# Altium PCB UltraZOhm_CarrierBoard.PcbDoc (part 11 of 12) (continued)
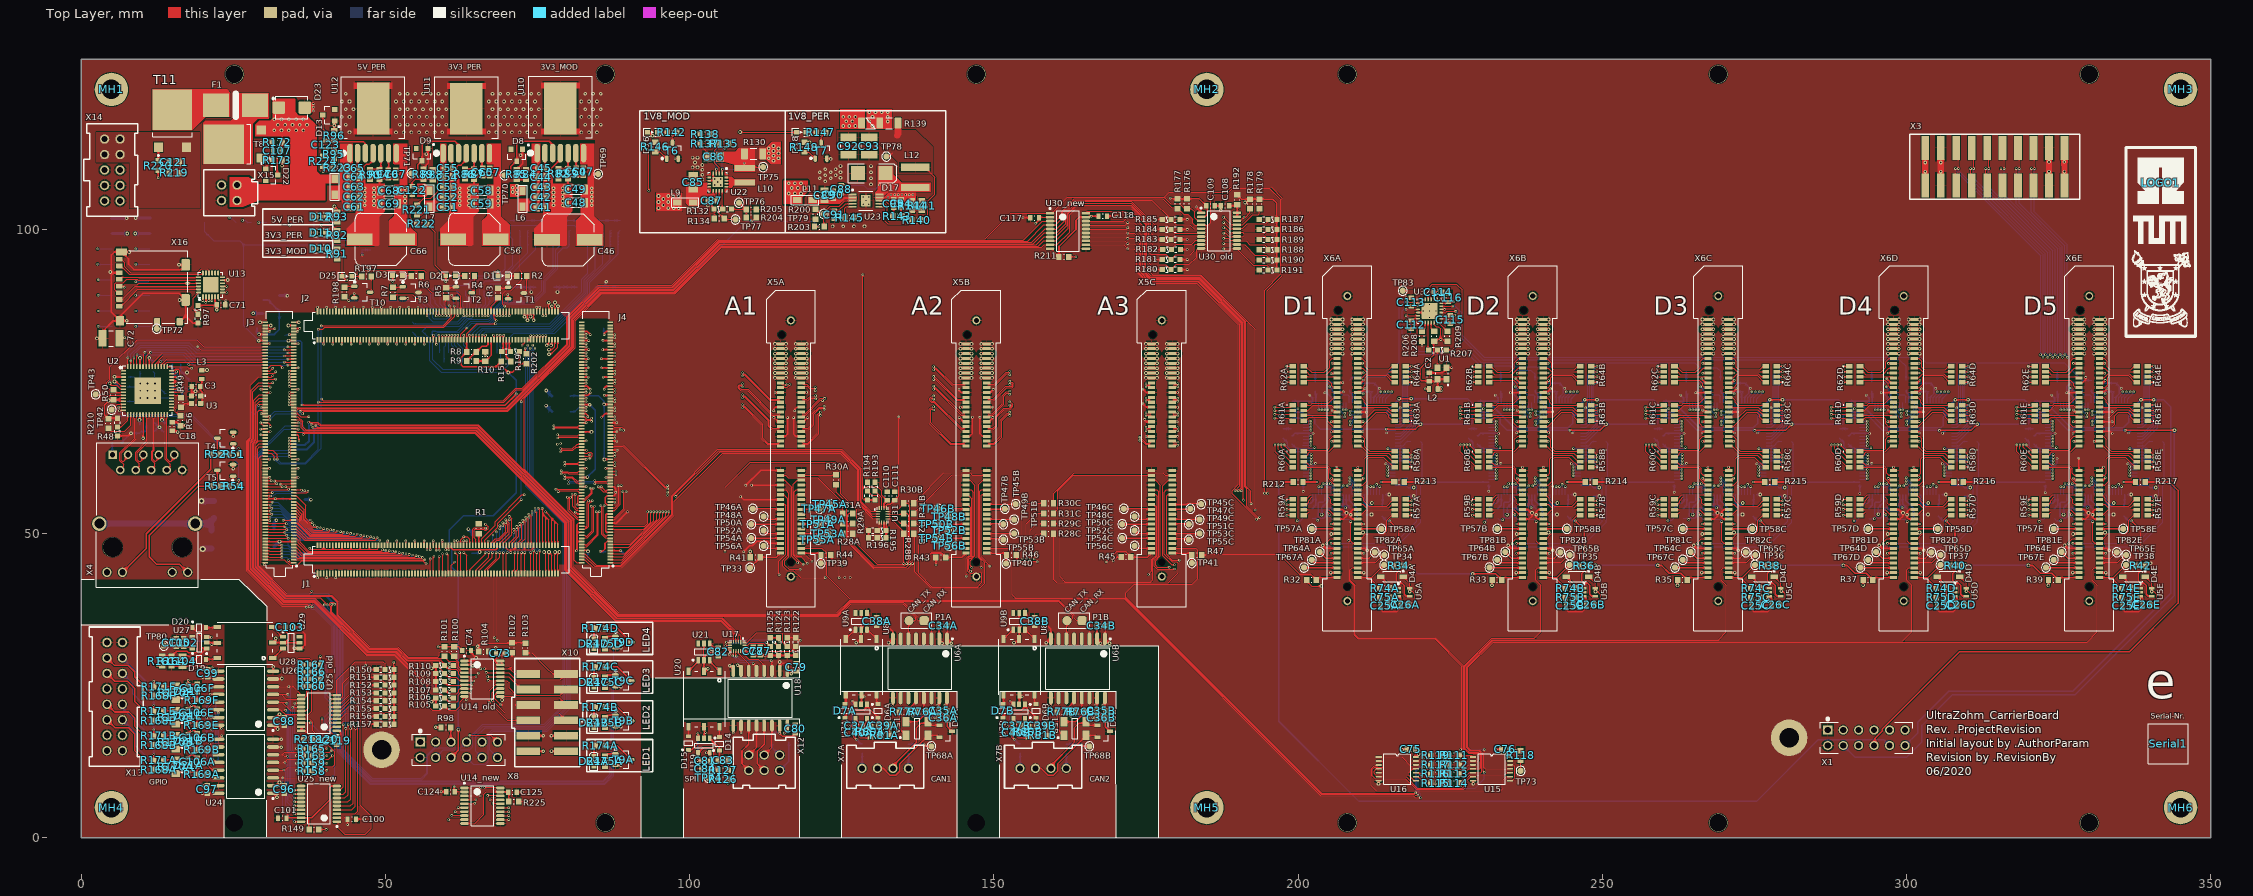
[diagram p0: Top Layer view]
## Nets (pads, with @x,y where several pads share a name; then routed paths per layer and width w, separated by ;. In a path a pad name is that pad's centre, name@x,y a point inside that pad or via, vN(x,y) a via of type N, cw(c..) or ccw(c..) an arc to the next point about the centre after c; other vN are vias at no path point) (continued)
  Top Layer w0.1: J3.96@30.287,68.736 30.964,68.736 v2(31,68.7) ; v1(36.4,69.7) 36.4,69.8 36.7,70.1 70.149,70.1 80.8,80.751 80.8,85.2 85.4,89.8 97.449,89.8 105.108,97.46 156.972,97.46 158.318,98.806 159.294,98.806 159.329,98.771 160.163,98.771 162.049,100.657 162.049,102.619 163.426,103.997 172.593,103.997 175.558,101.032 175.558,98 176.073,97.485 178.324,97.485 179.111,96.698 179.949,97.536 182.536,97.536 183.2,98.2 184.125,98.2 U30_old.8@184.15,98.175
  Bottom Layer w0.1: v2(31,68.7) 32,69.7 v1(36.4,69.7)
PS_DIG_GPIO_01_3V3: R188.2 U30_new.14 U30_old.13 X6A.77 X6B.77 X6C.77 X6D.77 X6E.77 | length 232.4
  Top Layer w0.1: U30_new.14@165.029,98.771 171.762,98.771 v1(172,98.533) 173.076,98.533 173.958,97.651 173.958,93.083 175.458,91.583 183.558,91.583 190.621,84.52 190.621,57.549 v1(190.145,57.074) ; v2(187.757,98.533) 188.551,98.533 188.884,98.2 189.825,98.2 189.85,98.175 189.907,98.118 190.441,98.118 190.459,98.1 191.435,98.1 192.075,97.46 194.54,97.46 195.06,96.94 R188.2@195.06,96.657
  Top Layer w0.254: v2(205.45,51.6) X6A.77@206.38,51.6 ; v2(235.93,51.6) X6B.77@236.86,51.6 ; v2(266.41,51.6) X6C.77@267.34,51.6 ; v2(296.89,51.6) X6D.77@297.82,51.6 ; v2(327.37,51.6) X6E.77@328.3,51.6
  L03_Sig w0.1: v1(172,98.533) 172.165,98.699 187.591,98.699 v2(187.757,98.533) ; v1(190.145,57.074) 190.153,57.066 190.153,56.786 190.503,56.436 192.847,56.436 197.81,51.472 203.803,51.472 203.931,51.6 v2(205.45,51.6) 207.9,51.6 208.5,51 235.33,51 v2(235.93,51.6) 238.63,51.6 239.23,51 265.81,51 v2(266.41,51.6) 269.11,51.6 269.71,51 296.29,51 v2(296.89,51.6) 299.59,51.6 300.19,51 326.77,51 v2(327.37,51.6)
PS_DIG_GPIO_02_1V8: J3.98 R183.2 U30_new.6 U30_old.7 | length 175.7
  Top Layer w0.1: J3.98@30.287,69.236 30.936,69.236 v2(31,69.3) ; v1(36,70.1) 36.2,70.3 70.066,70.3 80.6,80.834 80.6,85.283 85.317,90 97.366,90 105.025,97.66 156.486,97.66 158.267,99.441 159.309,99.441 159.329,99.421 160.305,99.421 161.849,100.965 161.849,102.718 163.426,104.295 172.577,104.295 175.758,101.114 175.758,99.552 176.149,99.162 178.298,99.162 R183.2@179.111,98.349 179.686,98.924 183.57,98.924 183.669,98.825 U30_old.7@184.15,98.825
  Bottom Layer w0.1: v2(31,69.3) 31.8,70.1 v1(36,70.1)
PS_DIG_GPIO_02_3V3: R189.2 U30_new.15 U30_old.14 X6A.78 X6B.78 X6C.78 X6D.78 X6E.78 | length 237.5
  Top Layer w0.1: U30_new.15@165.029,99.421 171.979,99.421 v1(172,99.4) 173.076,99.4 174.158,98.317 174.158,93.166 175.541,91.783 183.641,91.783 190.821,84.603 190.821,57.249 v1(190.645,57.074) ; v2(187.757,99.4) 188.1,99.4 188.7,98.8 190.9,98.8 191.045,98.945 194.437,98.945 R189.2@195.06,98.322
  Top Layer w0.254: X6A.78@209.78,51.6 v2(210.75,51.6) ; X6B.78@240.26,51.6 v2(241.23,51.6) ; X6C.78@270.74,51.6 v2(271.71,51.6) ; X6D.78@301.22,51.6 v2(302.19,51.6) ; X6E.78@331.7,51.6 v2(332.67,51.6)
  L03_Sig w0.1: v1(172,99.4) v2(187.757,99.4) ; v1(190.645,57.074) 190.95,56.769 192.811,56.769 197.908,51.672 203.72,51.672 203.998,51.95 208.05,51.95 208.4,51.6 v2(210.75,51.6) 211.067,51.283 234.583,51.283 235.25,51.95 238.563,51.95 238.913,51.6 v2(241.23,51.6) 265.4,51.6 265.75,51.95 269.165,51.95 269.465,51.65 270.154,51.65 270.204,51.6 v2(271.71,51.6) 271.72,51.61 296.161,51.61 296.545,51.994 297.072,51.994 297.266,51.8 299.673,51.8 299.873,51.6 v2(302.19,51.6) 326.5,51.6 327.5,52.6 331.67,52.6 v2(332.67,51.6)
PS_GPIO1: J3.72 R157.2 R175A.1 U25_new.1 U25_old.3 | length 144.8
  Top Layer w0.1: J3.72@30.287,62.736 30.223,62.8 29.6,62.8 29.2,62.4 29.2,44.7 33.8,40.1 37.6,40.1 37.9,40.4 v1(37.9,40.5) ; v1(40.97,18.923) 40.972,18.922 41.956,18.922 42.822,18.922 43.2,19.3 45.9,19.3 ; U25_new.1@41.95,2.675 42.103,2.675 42.241,2.536 42.241,1.659 43.3,0.6 46.7,0.6 47.7,1.6 47.7,3.6 45.9,5.4 45.9,19.3 ; R157.2@49.975,18.7 49.375,19.3 45.9,19.3 ; R175A.1@86.067,11.825 86.6,12.358 v2(86.6,12.6)
  L03_Sig w0.1: v1(37.9,40.5) 37.9,40.2 39.8,38.3 v1(40,38.3)
  Bottom Layer w0.1: v1(40,38.3) 40,38.031 42.7,35.331 42.7,20.653 v1(40.97,18.923) 42.8,17.093 42.8,14.3 47.7,9.4 85.8,9.4 86.9,10.5 86.9,12.3 v2(86.6,12.6)
PS_GPIO2: J3.89 R156.2 R175B.1 U25_new.3 U25_old.4 | length 154.7
  Top Layer w0.1: J3.89@34.957,67.236 35.664,67.236 v2(35.7,67.2) ; v1(40.97,19.558) U25_old.4@42.042,19.558 ; U25_new.3@41.95,3.975 45.075,3.975 45.5,4.4 v1(45.5,18.6) ; U25_old.4@41.956,19.572 42.672,19.572 43.7,20.6 45.5,20.6 ; v1(45.5,20) 45.5,20.6 ; R156.2@49.975,19.986 49.975,20.225 49.6,20.6 45.5,20.6 ; R175B.1@86.067,18.175 86.175,18.175 v2(86.9,18.9)
  Bottom Layer w0.1: 35.5,67.2 33.351,67.2 28.6,62.449 28.6,44.451 33.551,39.5 38.249,39.5 42.5,35.249 42.5,21.088 v1(40.97,19.558) 40.513,19.101 40.513,18.542 42.6,16.455 42.6,14.217 47.617,9.2 85.883,9.2 87.1,10.417 87.1,18.7 v2(86.9,18.9) ; v1(45.5,18.6) v1(45.5,20)
PS_GPIO3: J3.91 R155.2 R175C.1 U25_new.6 U25_old.5 | length 161
  Top Layer w0.1: J3.91@34.957,67.736 35.664,67.736 v2(35.7,67.7) ; v1(40.996,20.218) U25_old.5@42.053,20.218 ; U25_new.6@41.95,5.925 43.825,5.925 44.3,6.4 v1(44.3,18) ; U25_old.5@41.956,20.222 42.622,20.222 44.3,21.9 ; v1(44.3,21.2) 44.3,21.9 ; R155.2@49.975,21.271 49.975,21.525 49.6,21.9 44.3,21.9 ; R175C.1@86.067,24.779 86.279,24.779 v2(86.9,25.4)
  Bottom Layer w0.1: v2(35.7,67.7) 33.568,67.7 28.4,62.531 28.4,44.369 33.469,39.3 38.166,39.3 42.3,35.166 42.3,21.523 v1(40.996,20.218) 40.259,19.482 40.259,18.415 42.4,16.274 42.4,14.134 47.534,9 85.966,9 87.3,10.334 87.3,25 v2(86.9,25.4) ; v1(44.3,18) v1(44.3,21.2)
PS_GPIO4: J3.104 R154.2 R175D.1 U25_new.7 U25_old.6 | length 168.4
  Top Layer w0.1: v2(29.591,70.739) 29.594,70.736 J3.104@30.287,70.736 ; v1(40.998,20.886) U25_old.6@42.042,20.886 ; U25_new.7@41.95,6.575 43.375,6.575 43.9,7.1 v1(43.9,18.6) ; U25_old.6@41.956,20.872 42.672,20.872 45,23.2 ; v1(45,22.4) 45,23.2 ; R154.2@49.975,22.557 49.975,23.025 49.8,23.2 45,23.2 ; R175D.1@86.067,31.129 86.329,31.129 v2(86.9,31.7)
  Bottom Layer w0.1: v2(29.591,70.739) 28.2,69.348 28.2,44.286 33.386,39.1 38.083,39.1 42.1,35.083 42.1,21.987 v1(40.998,20.886) 39.98,19.867 39.98,18.313 42.2,16.093 42.2,14.051 47.451,8.8 86.049,8.8 87.5,10.251 87.5,31.1 v2(86.9,31.7) ; v1(43.9,18.6) 43.9,21.3 v1(45,22.4)
PS_GPIO5: J3.106 R153.2 U25_new.4 U25_old.7 | length 94.7
  Top Layer w0.1: v1(29.21,71.069) 29.377,71.236 J3.106@30.287,71.236 ; v1(40.998,21.51) U25_old.7@42.044,21.51 ; U25_new.4@41.95,4.625 41.975,4.6 44.5,4.6 45.1,5.2 v1(45.1,18) ; U25_old.7@41.956,21.522 42.722,21.522 45.7,24.5 46.5,24.5 ; v1(46.5,23.8) 46.5,24.5 ; R153.2@49.975,23.843 50,23.868 50,24.441 49.941,24.5 46.5,24.5
  Bottom Layer w0.1: v1(29.21,71.069) 28,69.859 28,44.203 33.303,38.9 38,38.9 41.9,35 41.9,22.411 v1(40.998,21.51) ; v1(45.1,18) 45.7,18 46.5,18.8 v1(46.5,23.8)
PS_GPIO6: J3.120 R152.2 U25_new.5 U25_old.8 X11.10 | length 136.2
  Top Layer w0.1: v1(31.5,74.8) 31.436,74.736 29.864,74.736 29.8,74.8 29.2,74.8 28,73.6 28,65.797 27.4,65.197 27.4,43.954 33.054,38.3 37.2,38.3 v1(37.5,38) ; v1(41.024,22.16) U25_old.8@42.045,22.16 ; U25_new.5@41.95,5.275 44.275,5.275 44.7,5.7 v1(44.7,18.6) ; U25_old.8@41.956,22.172 42.672,22.172 46,25.5 ; v1@46.2,25.4 v1(46.2,25.3) 46,25.5 ; R152.2@49.975,25.129 49.975,25.425 49.6,25.8 46.3,25.8 46,25.5
  L03_Sig w0.1: v2(2.8,86.6) 8.3,86.6 8.7,86.2 8.7,85 10.625,83.075 11.8,81.9 19.6,81.9 26.7,74.8 v1(31.5,74.8)
  Bottom Layer w0.1: v2(2.8,86.6) 2.83,86.63 X11.10@5.106,86.63 ; v1(37.5,38) 37.9,37.6 38.4,37.6 41.3,34.7 41.3,29.9 40.1,28.7 40.1,23.084 v1(41.024,22.16) ; v1(44.7,18.6) 44.7,19.7 46,21 46,25.1 v1(46.2,25.3)
PS_GPIO7: J3.118 R151.2 U25_new.8 U25_old.9 X11.9 | length 132.8
  Top Layer w0.1: v2(31.1,74.1) 30.964,74.236 29.864,74.236 29.8,74.3 29.2,74.3 28.2,73.3 28.2,65.714 27.6,65.114 27.6,44.037 33.137,38.5 37.6,38.5 38,38.1 v1(38,38) ; v1(41.021,22.784) U25_old.9@42.018,22.784 ; U25_new.8@41.95,7.225 U25_new.8@42.05,7.225 43.125,7.225 43.5,7.6 v1(43.5,18) ; U25_old.9@42.422,22.822 U25_old.9@42.056,22.822 41.956,22.822 42.013,22.879 42.579,22.879 43,23.3 43,25.4 44.6,27 ; v1(44.6,25.5) 44.6,27 ; R151.2@49.975,26.414 49.975,26.825 49.8,27 44.6,27
  L03_Sig w0.1: v2(2.8,84.1) 8.5,84.1 11.3,81.3 19.6,81.3 26.7,74.2 31.1,74.2 v2(31.1,74.1)
  Bottom Layer w0.1: v2(2.8,84.1) 2.81,84.09 X11.9@5.106,84.09 ; v1(38,38) 38.3,38 41.5,34.8 41.5,29.817 40.3,28.617 40.3,23.505 v1(41.021,22.784) ; v1(43.5,18) 43.5,21.2 44.6,22.3 v1(44.6,25.5)
PS_GPIO8: J3.124 R150.2 U25_new.9 U25_old.10 X11.12 | length 143.5
  Top Layer w0.1: v1(31.5,76) 31.236,75.736 29.864,75.736 29.8,75.8 29.2,75.8 27.8,74.4 27.8,65.88 27.2,65.28 27.2,43.872 32.972,38.1 36.7,38.1 36.9,37.9 v1(37,37.9) ; v1(41.021,23.495) U25_old.10@41.979,23.495 ; U25_new.9@41.95,7.875 41.985,7.91 42.61,7.91 43.1,8.4 v1(43.1,18.6) ; U25_old.10@41.956,23.472 U25_old.10@41.979,23.495 ; U25_old.10@42.032,23.495 U25_old.10@41.979,23.495 ; v1(46.8,28.4) 46.8,29 ; R150.2@49.975,27.7 49.975,28.625 49.6,29 46.8,29 ; U25_old.10@41.979,23.495 41.979,25.879 45.1,29 46.8,29
  L03_Sig w0.1: v2(2.8,91.7) 8,91.7 10,89.7 10,85.3 12.2,83.1 19.6,83.1 26.7,76 v1(31.5,76)
  Bottom Layer w0.1: v2(2.8,91.7) 2.81,91.71 X11.12@5.106,91.71 ; v1(37,37.9) 37,38.2 37.2,38.4 38.217,38.4 41.7,34.917 41.7,29.734 40.5,28.534 40.5,24.016 v1(41.021,23.495) ; v1(43.1,18.6) 43.1,20.134 43.3,20.334 43.3,21.117 43.3,24.9 v1(46.8,28.4)
PS_I2C0_SCL_3V3: R178.2 U30_new.20 U30_old.18 X5A.49 X5B.49 X5C.49 X6A.89 X6B.89 X6C.89 X6D.89 X6E.89 | length 369.3
  Top Layer w0.1: X5A.49@114.94,58.8 115.62,58.8 116.789,57.631 116.789,46.279 117.754,45.314 v1(117.754,45.212) ; X5B.49@145.42,58.8 146.1,58.8 146.9,58 146.9,46.351 146.1,45.551 146.1,44.8 v1@146.4,44.5 ; U30_new.20@165.029,102.671 165.355,102.997 171.552,102.997 v1@171.933,102.616 ; v1(172,102.616) 173.076,102.616 174.958,100.733 174.958,93.723 176.098,92.583 183.972,92.583 192.938,83.617 v1(192.938,53.899) ; X5C.49@175.9,58.8 176.58,58.8 177.38,58 177.38,46.351 176.58,45.551 176.58,44.8 176.88,44.5 v1(178.816,44.5) ; U30_old.18@189.85,101.425 189.86,101.435 190.535,101.435 v2(191.1,102) 191.137,102.037 191.357,102.037 192.049,102.729 192.049,103.309 R178.2@192.112,103.372
  Top Layer w0.254: v2(205.4,46.8) X6A.89@206.38,46.8 ; v2(235.88,46.8) X6B.89@236.86,46.8 ; v2(266.36,46.8) X6C.89@267.34,46.8 ; v2(296.84,46.8) X6D.89@297.82,46.8 ; v2(327.32,46.8) X6E.89@328.3,46.8
  L03_Sig w0.1: v1(117.754,45.212) 117.856,45.212 119.361,43.707 138.902,43.707 139.209,44.014 145.149,44.014 145.585,44.45 v1(146.355,44.45) 146.837,43.967 146.939,43.967 178.283,43.967 v1(178.816,44.5) ; v1(172,102.616) 187.984,102.616 188.6,102 v2(191.1,102) ; v1@178.861,44.546 189.834,44.546 192.786,47.498 192.786,53.746 v1(192.938,53.899) 194.201,53.899 201.3,46.8 v2(205.4,46.8) 209.8,46.8 210.35,46.25 220.95,46.25 221.5,46.8 v2(235.88,46.8) 240.28,46.8 240.83,46.25 251.43,46.25 251.98,46.8 v2(266.36,46.8) 270.76,46.8 271.31,46.25 281.91,46.25 282.46,46.8 v2(296.84,46.8) 301.24,46.8 301.79,46.25 312.39,46.25 312.94,46.8 v2(327.32,46.8)
PS_I2C0_SDA_3V3: R179.2 U30_new.18 U30_old.17 X5A.50 X5B.50 X5C.50 X6A.90 X6B.90 X6C.90 X6D.90 X6E.90 | length 372.8
  Top Layer w0.1: X5A.50@118.34,58.8 117.72,58.8 117.02,58.1 117.02,46.492 118.503,45.009 v1(118.643,45.009) ; v1(147.93,44.45) 147.93,45.601 147.5,46.03 147.5,58.1 148.2,58.8 X5B.50@148.82,58.8 ; U30_new.18@165.029,101.371 171.371,101.371 v1(172,102) 173.076,102 174.758,100.317 174.758,93.415 175.79,92.383 183.889,92.383 191.421,84.852 191.421,57.798 192.227,56.992 192.227,54.998 v1(192.275,54.95) ; X5C.50@179.3,58.8 178.68,58.8 177.749,57.869 177.749,46.38 179.222,44.907 v1(179.68,44.907) ; v2(187.757,102) 188.982,100.775 189.85,100.775 190.894,100.775 192.532,102.413 193.446,102.413 193.636,102.602 R179.2@193.636,103.372
  Top Layer w0.254: X6A.90@209.78,46.8 v2(210.8,46.8) ; X6B.90@240.26,46.8 v2(241.28,46.8) ; X6C.90@270.74,46.8 v2(271.76,46.8) ; X6D.90@301.22,46.8 v2(302.24,46.8) ; X6E.90@331.7,46.8 v2(332.72,46.8)
  L03_Sig w0.1: v1(118.643,45.009) 119.745,43.907 138.819,43.907 139.126,44.214 145.066,44.214 145.757,44.906 146.404,44.906 146.86,44.45 v1(147.93,44.45) 148.107,44.272 178.079,44.272 178.714,44.907 v1(179.68,44.907) 179.73,44.856 189.484,44.856 192.275,47.647 v1(192.275,54.95) 193.65,54.95 201.3,47.3 210.3,47.3 v2(210.8,46.8) 220.95,46.8 221.5,47.35 240.73,47.35 v2(241.28,46.8) 251.43,46.8 251.98,47.35 271.21,47.35 v2(271.76,46.8) 281.91,46.8 282.46,47.35 301.69,47.35 v2(302.24,46.8) 312.39,46.8 312.94,47.35 332.17,47.35 v2(332.72,46.8) ; v1@172.001,102.001 v2@187.756,102.001
PS_I2C1_SCL: J3.78 R100.2 U14_new.1 U14_old.3 | length 90.1
  Top Layer w0.1: J3.78@30.287,64.236 29.864,64.236 29.8,64.3 29.3,64.3 29,64 29,44.617 33.717,39.9 41.183,39.9 42.3,38.783 42.3,36.583 47.483,31.4 52.08,31.4 53.78,29.7 58.6,29.7 58.9,30 58.9,30.4 59.1,30.6 60.4,30.6 61.152,29.848 R100.2@61.323,29.848 61.323,29.59 62.027,28.886 62.027,28.169 62.371,27.825 U14_old.3@63.207,27.825 ; U14_new.1@63.1,8.225 65.544,8.225 65.619,8.3 v1(65.7,8.3) ; U14_old.3@63.1,27.8 v2(65.7,27.8)
  L03_Sig w0.1: v1(65.7,8.3) 65.7,12.1 64.996,12.804 64.996,16.196 65.7,16.9 v2(65.7,27.8)
PS_I2C1_SDA: J3.80 R101.2 U14_new.3 U14_old.4 | length 90.7
  Top Layer w0.1: J3.80@30.287,64.736 29.864,64.736 29.8,64.8 29.3,64.8 28.8,64.3 28.8,44.534 33.634,39.7 41.1,39.7 42.1,38.7 42.1,36.5 47.4,31.2 51.997,31.2 53.697,29.5 59.403,29.5 R101.2@59.751,29.848 59.751,29.708 60.401,29.058 61.573,29.058 61.827,28.803 61.827,27.962 62.614,27.175 U14_old.4@63.207,27.175 ; U14_new.3@63.1,6.925 63.125,6.9 v1(65.6,6.9) ; U14_old.4@63.1,27.15 65.25,27.15 v2(65.3,27.1)
  L03_Sig w0.1: v2(65.3,27.1) 65.3,16.783 64.796,16.279 64.796,12.721 65.2,12.317 65.2,7.3 v1(65.6,6.9)
PS_SPI0_CS: J3.108 R105.2 U14_new.9 U14_old.10 | length 101.7
  Top Layer w0.1: J3.108@30.287,71.736 29.336,71.736 28.8,71.2 28.8,65.466 28.2,64.866 28.2,44.286 33.386,39.1 38.366,39.1 47.066,30.4 51.666,30.4 57,25.066 57,21.7 57.7,21 59,21 59.684,21.684 R105.2@59.752,21.684 ; v1(60.4,3) 60.425,3.025 U14_new.9@63.1,3.025
  Top Layer w0.2: R105.2@59.752,21.684 60.429,21.006 61.671,21.006 62.306,21.641 62.306,22.374 U14_old.10@63.141,23.209 ; U14_old.10@63.1,23.25 U14_old.10@63.141,23.209 ; U14_old.10@63.207,23.275 U14_old.10@63.141,23.209 ; v2(63.3,22.7) 63.3,23.05 U14_old.10@63.141,23.209
  L03_Sig w0.1: v1(60.4,3) 60.4,5.6 61.716,6.916 61.716,16.249 63.3,17.832 v2(63.3,22.7)
PS_SPI0_MISO: J3.110 R107.2 U14_new.7 U14_old.8 | length 99.1
  Top Layer w0.1: J3.110@30.287,72.236 29.864,72.236 29.8,72.3 29.3,72.3 28.6,71.6 28.6,65.549 28,64.949 28,44.203 33.303,38.9 38.283,38.9 46.983,30.2 51.583,30.2 56.8,24.983 56.8,24.8 v1(56.6,24.6) ; v2(59.1,24.8) 59.536,24.364 R107.2@59.752,24.364 ; v1(61.5,4.3) 63.075,4.3 U14_new.7@63.1,4.325 ; U14_old.8@63.1,24.55 64.05,24.55 v2(64.1,24.5)
  Top Layer w0.2: R107.2@59.752,24.364 59.812,24.364 60.503,23.673 61.706,23.673 62.1,24.067 62.1,24.398 62.217,24.515 62.965,24.515 U14_old.8@63,24.55 ; U14_old.8@62.575,24.575 U14_old.8@63.207,24.575
  L03_Sig w0.1: v1(61.5,4.3) 61.5,6.1 62.116,6.716 62.116,16.083 64.35,18.317 64.35,24.25 v2(64.1,24.5)
  Bottom Layer w0.1: v1(56.6,24.6) 58.9,24.6 v2(59.1,24.8)
PS_SPI0_MOSI: J3.112 R108.2 U14_new.6 U14_old.7 | length 99.6
  Top Layer w0.1: J3.112@30.287,72.736 29.864,72.736 29.8,72.8 29.3,72.8 28.4,71.9 28.4,65.631 27.8,65.031 27.8,44.12 33.22,38.7 38.2,38.7 46.9,30 51.5,30 56.1,25.4 v1(56.1,24.6) ; v2(59.1,26.2) 59.595,25.705 R108.2@59.752,25.705 ; v2(62,5) 63.075,5 U14_new.6@63.1,4.975 ; U14_old.7@63.1,25.2 63.182,25.2 v2(64.2,25.2)
  Top Layer w0.2: R108.2@59.752,25.705 59.752,25.592 60.274,25.07 63.052,25.07 U14_old.7@63.182,25.2
  L03_Sig w0.1: v2(62,5) 62.316,5.316 62.316,16 64.55,18.234 64.55,24.85 v2(64.2,25.2)
  Bottom Layer w0.1: v1(56.1,24.6) 56.5,25 58.8,25 59,25.2 59,26.1 v2(59.1,26.2)
PS_SPI0_SCLK: J3.102 R106.2 U14_new.8 U14_old.9 | length 97.7
  Top Layer w0.1: J3.102@30.287,70.236 29.864,70.236 29.8,70.3 29.3,70.3 29,70 29,65.383 28.4,64.783 28.4,44.369 33.469,39.3 38.449,39.3 47.149,30.6 51.749,30.6 57.2,25.149 57.2,24 57.5,23.7 59.064,23.7 R106.2@59.752,23.012 ; v1(60.9,3.7) 63.075,3.7 U14_new.8@63.1,3.675
  Top Layer w0.2: R106.2@59.752,23.012 59.792,23.012 60.452,22.352 61.798,22.352 61.976,22.53 61.976,23.476 62.425,23.925 U14_old.9@63.207,23.925 ; U14_old.9@63.1,23.9 v2(64,23.9)
  L03_Sig w0.1: v1(60.9,3.7) 60.9,5.8 61.916,6.816 61.916,16.166 64,18.249 v2(64,23.9)
PS_SPI1_CS: J3.93 U17.4 | length 93.4
  Top Layer w0.1: J3.93@34.957,68.236 35.664,68.236 v2(35.7,68.2) ; v1(36.5,66.3) 36.7,66.5 64.7,66.5 79.45,51.75 79.45,43.97 87.82,35.6 105.1,35.6 107.221,33.479 U17.4@107.221,32.248
  Bottom Layer w0.1: v2(35.7,68.2) 36,68.2 36.5,67.7 v1(36.5,66.3)
PS_SPI1_MISO: J3.95 U17.2 | length 93.9
  Top Layer w0.1: J3.95@34.957,68.736 35.864,68.736 36.2,68.4 36.2,67.4 36.7,66.9 64.866,66.9 79.85,51.916 79.85,44.136 87.986,36 105.266,36 108.021,33.245 U17.2@108.021,32.248
PS_SPI1_MOSI: J3.97 U17.1 | length 94.4
  Top Layer w0.1: J3.97@34.957,69.236 35.647,69.236 36.4,68.483 36.4,67.6 36.9,67.1 64.949,67.1 80.05,51.999 80.05,44.219 88.069,36.2 105.349,36.2 108.421,33.128 U17.1@108.421,32.198
PS_SPI1_SCLK: J3.87 U17.3 | length 92.2
  Top Layer w0.1: J3.87@34.957,66.736 34.993,66.7 64.783,66.7 79.65,51.833 79.65,44.053 87.903,35.8 105.183,35.8 107.621,33.362 U17.3@107.621,32.248
PS_UART0_RX: J3.82 X8.7 | length 89.5
  Top Layer w0.1: J3.82@30.287,65.236 29.864,65.236 29.8,65.3 29.2,65.3 28.6,64.7 28.6,44.451 33.551,39.5 39.295,39.5 40.495,38.3 v1(40.5,38.3)
  Bottom Layer w0.1: v1@40.495,38.3 v1(40.5,38.3) 40.5,37.814 42.9,35.414 42.9,20.5 41.329,18.929 41.329,18.847 43,17.176 43,14.383 47.783,9.6 56,9.6 57,10.6 57,13.488 58.312,14.8 62.389,14.8 X8.7@63.356,15.767
PS_UART0_TX: J3.71 X8.3 | length 86.4
  Top Layer w0.1: v2(34.2,62.7) 34.921,62.7 J3.71@34.957,62.736
  Bottom Layer w0.1: v2(34.2,62.7) 29.7,62.7 29.2,62.2 29.2,44.7 33.8,40.1 40.65,40.1 42.25,38.5 42.25,36.35 43.15,35.45 43.1,35.4 43.1,20.417 41.612,18.929 41.612,18.847 43.2,17.259 43.2,14.466 47.866,9.8 55.9,9.8 56.8,10.7 56.8,13.571 58.276,15.046 X8.3@58.276,15.767
PS_UART1_RX: J3.75 R110.2 U14_new.4 U14_old.5 | length 91.8
  Top Layer w0.1: v2(34.2,63.7) 34.236,63.736 J3.75@34.957,63.736 ; v1(41.2,38.4) 41.2,37.114 47.314,31 51.914,31 53.614,29.3 59,29.3 59.752,28.548 R110.2@59.752,28.366 ; U14_new.4@63.1,6.275 63.125,6.3 v1(64.9,6.3) ; U14_old.5@63.1,26.5 63.207,26.5 v2(64.9,26.5)
  Top Layer w0.2: R110.2@59.752,28.366 60.418,27.7 61.659,27.7 62.027,27.332 62.027,26.924 62.426,26.525 63.1,26.525 U14_old.5@63.207,26.525
  L03_Sig w0.1: v1(64.9,6.3) 64.9,12.334 64.596,12.639 64.596,16.361 64.95,16.716 64.95,26.45 v2(64.9,26.5)
  Bottom Layer w0.1: v2(34.2,63.7) 30.134,63.7 28.8,62.366 28.8,44.534 33.634,39.7 40.2,39.7 41.2,38.7 v1(41.2,38.4)
PS_UART1_TX: J3.73 R109.2 U14_new.5 U14_old.6 | length 93.1
  Top Layer w0.1: v2(34.2,63.2) 34.236,63.236 J3.73@34.957,63.236 ; v1(41.7,38.4) 41.7,38.5 41.45,38.75 41.05,38.75 40.85,38.55 40.85,38.15 41,38 41,37.031 47.231,30.8 51.831,30.8 53.531,29.1 58.8,29.1 59,28.9 59,27.776 R109.2@59.752,27.025 ; U14_new.5@63.1,5.625 64.544,5.625 64.619,5.7 v1(64.7,5.7) ; U14_old.6@63.1,25.85 63.207,25.85 64.45,25.85 v2(64.5,25.8)
  Top Layer w0.2: R109.2@59.752,27.025 60.386,26.391 61.697,26.391 62.212,25.875 63.1,25.875 U14_old.6@63.207,25.875
  L03_Sig w0.1: v2(64.5,25.8) 64.75,25.55 64.75,16.799 64.396,16.444 64.396,12.556 64.55,12.401 64.55,6.155 64.7,6.005 v1(64.7,5.7)
  Bottom Layer w0.1: v2@34.2,63.2 29.917,63.2 29,62.283 29,44.617 33.717,39.9 40.283,39.9 41.7,38.483 v1(41.7,38.4)
PSBATT: J2.125 R15.2 | length 3.9
  Top Layer w0.254: J2.125@69.872,81.851 69.872,79.091 R15.2@70.646,78.317
PUDC_B: J2.127 R19.2 | length 2.1
  Top Layer w0.254: J2.127@70.372,81.851 70.372,80.137 R19.2@70.653,79.856
SATA_RX_N: J2.58
SATA_RX_P: J2.60
SATA_TX_N: J2.55
SATA_TX_P: J2.57
SD_CD_S: TP72.1 X16.9 | length 1.2
  Top Layer w0.254: TP72.1@12.445,83.679 12.445,84.737 X16.9@12.515,84.807
SD_CLK: J3.114 U13.9 | length 27.2
  Top Layer w0.1: U13.9@23.225,90.649 23.851,90.649 v2(23.9,90.6) ; J3.114@30.287,73.236 30.323,73.2 v2(31.1,73.2)
  L04_Sig w0.1: v2(23.9,90.6) 23.9,90.3 24.3,89.9 24.3,89.4 23.4,88.5 23.4,88 23,87.6 21.8,87.6 21.6,87.4 21.6,84.8 26.4,80 26.4,74.1 27.5,73 30.8,73 31,73.2 v2(31.1,73.2)
SD_CMD: J3.113 U13.4 | length 26.7
  Top Layer w0.1: v2(21.5,88.3) 21.5,88.923 U13.4@21.525,88.949 ; v2(34.2,73.2) 34.921,73.2 J3.113@34.957,73.236
  L04_Sig w0.1: v2(21.5,88.3) 21.5,88.1 21.3,87.9 21.3,84.8 26.1,80 26.1,73.976 27.376,72.7 33.5,72.7 34,73.2 v2(34.2,73.2)
SD_DAT0: J3.105 U13.6 | length 33
  Top Layer w0.1: U13.6@22.525,88.949 22.525,88.575 v2(22.7,88.4) ; v2(34.2,71.2) 34.921,71.2 J3.105@34.957,71.236
  L04_Sig w0.1: v2(22.7,88.4) 22.1,89 19.6,89 19.2,88.6 19.2,88 20.1,87.1 20.1,84.8 24.9,80 24.9,73.479 26.879,71.5 33.6,71.5 33.9,71.2 v2(34.2,71.2)
SD_DAT1: J3.107 U13.7 | length 34.4
  Top Layer w0.1: U13.7@23.225,89.649 23.851,89.649 v2(23.9,89.6) ; v2(34.2,71.7) 34.921,71.7 J3.107@34.957,71.736
  L04_Sig w0.1: v2(23.9,89.6) 23.1,88.8 23.1,88.2 22.8,87.9 22.5,87.9 21.6,88.8 19.8,88.8 19.6,88.6 19.6,88 20.4,87.2 20.4,84.8 25.2,80 25.2,73.603 27.003,71.8 34.1,71.8 v2(34.2,71.7)
SD_DAT2: J3.109 U13.1 | length 27.7
  Top Layer w0.1: v2(20,88.3) 20.025,88.325 U13.1@20.025,88.949 ; v2(34.2,72.2) 34.236,72.236 J3.109@34.957,72.236
  L04_Sig w0.1: v2(20,88.3) 20,88 20.7,87.3 20.7,84.8 25.5,80 25.5,73.727 27.127,72.1 34.1,72.1 v2(34.2,72.2)
SD_DAT3: J3.111 U13.3 | length 27
  Top Layer w0.1: v2(21,88.3) 21.025,88.325 U13.3@21.025,88.949 ; v2(34.2,72.7) 34.236,72.736 J3.111@34.957,72.736
  L04_Sig w0.1: v2(21,88.3) 21,84.8 25.8,80 25.8,73.851 27.251,72.4 33.6,72.4 33.9,72.7 v2(34.2,72.7)
SEL_SD: R97.2 U13.24 | length 4.3
  Top Layer w0.1: R97.2@19.204,86.065 18.4,86.869 18.4,88.723 U13.24@19.325,89.649
SI_PLL_1V8: J3.151 TP27.1 | length 1.5
  Top Layer w0.1: v2(34.2,82.7) 34.236,82.736 J3.151@34.957,82.736
  Bottom Layer w0.1: TP27.1@33.511,82.578 33.633,82.7 v2(34.2,82.7)
SPI_CS_3V3: U17.9 U18.5 | length 6.2
  Top Layer w0.2: v2(107.061,29.92) 107.061,30.022 107.221,30.182 U17.9@107.221,30.698 ; v2(110.465,28.65) 110.996,28.119 U18.5@110.996,27.464
  Bottom Layer w0.2: v2(107.061,29.92) 108.102,28.879 110.236,28.879 v2(110.465,28.65)
SPI_MISO_3V3: U17.11 U18.6 | length 3.9
  Top Layer w0.2: U17.11@108.021,30.698 108.021,30.332 109.726,28.627 U18.6@109.726,27.464
SPI_MOSI_3V3: U17.12 U18.4 | length 5.7
  Top Layer w0.2: U17.12@108.421,30.698 109.753,29.365 109.753,29.362 111.277,29.362 112.266,28.373 U18.4@112.266,27.464
SPI_SCLK_3V3: U17.10 U18.3 | length 8.6
  Top Layer w0.2: U17.10@107.621,30.698 107.621,29.97 v2(107.696,29.895) ; v2(113.411,29.108) 113.536,28.983 U18.3@113.536,27.464
  Bottom Layer w0.2: v2(107.696,29.895) 108.356,29.235 113.284,29.235 v2(113.411,29.108)
SPI_SHARED_CLK_3V3: R30A.2 R30B.2 R30C.2 U31.12 | length 68.9
  Top Layer w0.1: R30A.2@124.079,58.052 124.079,56.846 125.8,55.125 125.8,48.701 130.255,44.247 135.812,44.247 v1(136.65,45.085) 136.2,45.535 136.2,54.65 135.85,55 R30B.2@135.2,55 135.2,54.95 133.885,53.635 U31.12@132.525,53.635 ; v1(154.661,45.847) 154.661,54.077 155.6,55.016 158.184,55.016 R30C.2@158.2,55
  L03_Sig w0.1: v1(136.65,45.085) 136.828,44.907 138.405,44.907 139.522,46.025 145.462,46.025 146.326,46.888 147.853,46.888 149.064,45.678 154.5,45.678 154.661,45.839 v1(154.661,45.847)
SPI_shared_CS_3V3: R191.2 U30_new.12 U30_old.11 X5A.53 X5B.53 X5C.53 | length 223.1
  Top Layer w0.1: X5A.53@114.94,57.2 115.774,57.2 116.332,56.642 116.332,46.228 115.646,45.542 115.646,44.856 116.357,44.145 v1(118.161,44.145) ; X5B.53@145.42,57.2 146.254,57.2 146.634,56.82 146.634,46.386 146.248,46 146.051,46 145.872,45.822 145.872,44.12 v1(146.177,43.815) ; U30_new.12@165.029,97.471 171.329,97.471 v1(172,96.8) 172.948,96.8 173.507,96.241 173.507,92.968 175.293,91.183 183.321,91.183 190.17,84.334 190.17,58.093 189.15,57.074 189.15,56.544 193.247,52.447 v1(193.175,52.375) ; X5C.53@175.9,57.2 176.759,57.2 177.063,56.896 177.063,46.336 176.327,45.599 176.327,44.653 176.83,44.15 179.684,44.15 v1(179.73,44.196) ; v2(187.757,96.8) 189.941,96.8 192.641,94.1 194.85,94.1 195.06,93.89 R191.2@195.06,93.328
  L03_Sig w0.1: v1(118.161,44.145) 119.006,43.3 145.002,43.3 145.491,43.79 146.152,43.79 v1(146.177,43.815) 146.228,43.764 179.299,43.764 v1(179.73,44.196) 190.703,44.196 192.075,45.568 193.192,46.685 193.175,46.703 v1(193.175,52.375) ; v1(172,96.8) 172.248,97.048 187.509,97.048 v2(187.757,96.8)
SPI_SHARED_MOSI_3V3: R31A.1 R31B.1 R31C.1 U31.11 | length 59.2
  Top Layer w0.1: R31A.1@126.8,53.333 126.783,53.35 126.275,53.35 126,53.075 126,48.784 130.284,44.501 135.566,44.501 v1(136.15,45.085) 136,45.235 136,53.025 135.692,53.333 R31B.1@135.2,53.333 135.102,53.235 U31.11@132.525,53.235 ; v1(155.321,45.847) 155.321,51.664 156.997,53.34 158.193,53.34 R31C.1@158.2,53.333
  L03_Sig w0.1: v1(136.15,45.085) 136.528,44.707 138.487,44.707 139.602,45.821 145.542,45.821 146.409,46.688 147.771,46.688 148.981,45.478 154.952,45.478 v1(155.321,45.847)
SRST_B: J2.96 R99.1 R201.1 | length 26.4
  Top Layer w0.2: v1(46.2,95.8) 46.2,93.7 46.6,93.3 56.3,93.3 56.7,92.9 56.7,90.5 57.6,89.6 61.8,89.6 62.372,89.028 J2.96@62.372,86.521
  Bottom Layer w0.2: v1(46.2,95.8) 46.2,96.622 46.23,96.651 R201.1@47.632,96.651
TCK: J2.120 X8.4 | length 95.7
  Top Layer w0.1: v2(68.3,85.8) 68.344,85.8 68.372,85.828 J2.120@68.372,86.521
  L03_Sig w0.1: v2(68.3,85.8) 68.3,85.5 69.8,84 70.5,84 73.4,81.1 v2(73.4,81)
  Bottom Layer w0.1: X8.4@58.276,13.227 59.549,14.5 63.9,14.5 64.4,15 64.4,16.7 66.1,18.4 76.2,18.4 79.5,21.7 79.5,51.827 73.4,57.927 v2(73.4,81)
TDI: J2.122 X8.10 | length 90.7
  Top Layer w0.1: v2(68.8,85.8) 68.872,85.872 J2.122@68.872,86.521
  L03_Sig w0.1: v2(68.8,85.8) 68.8,85.5 70,84.3 70.6,84.3 73.8,81.1 v1(73.8,80.5)
  Bottom Layer w0.1: X8.10@65.896,13.227 64.9,14.222 64.9,16.6 66.4,18.1 76.324,18.1 79.8,21.576 79.8,51.951 73.7,58.051 73.7,80.4 v1(73.8,80.5)
TDO: J2.124 X8.8 | length 93.9
  Top Layer w0.1: v2(69.3,85.8) 69.372,85.872 J2.124@69.372,86.521
  L03_Sig w0.1: v2(69.3,85.8) 69.3,85.417 70.117,84.6 70.7,84.6 74.2,81.1 v2(74.2,81)
  Bottom Layer w0.1: X8.8@63.356,13.227 64.482,12.1 66.5,12.1 66.9,12.5 66.9,17.1 67.6,17.8 76.449,17.8 80.1,21.451 80.1,52.076 74,58.176 74,80.1 74.2,80.3 v2(74.2,81)
TMS: J2.126 X8.12 | length 89.6
  Top Layer w0.1: v2(69.8,85.8) 69.872,85.872 J2.126@69.872,86.521
  L03_Sig w0.1: v2(69.8,85.8) 69.8,85.2 70.1,84.9 70.8,84.9 74.6,81.1 v1(74.6,80.5)
  Bottom Layer w0.1: X8.12@68.436,13.227 67.2,14.462 67.2,17 67.7,17.5 76.573,17.5 80.4,21.327 80.4,52.2 74.3,58.3 74.3,80.1 74.6,80.4 v1(74.6,80.5)
USB0_DATA0: J3.126 X11.13 | length 44.7
  Top Layer w0.1: J3.126@30.287,76.236 30.401,76.35 31.75,76.35 v1(32,76.6)
  L03_Sig w0.1: v2(2.7,94.3) 8.3,94.3 10.6,92 10.6,85.6 12.5,83.7 19.6,83.7 26.7,76.6 v1(32,76.6)
  Bottom Layer w0.1: v2(2.7,94.3) 2.75,94.25 X11.13@5.106,94.25